# Altium PCB mach PCB.PcbDoc (part 2 of 6)
Units mm, origin at the board's own origin, x right, y up, seen from the top; angles counter-clockwise.
Board outline 300.6 x 300.64 mm, 2 copper layers (Top Layer, Bottom Layer); 688 components, 737 nets, 3205 pads, 25 vias.
Unrouted connection lines stored in the file: 1.
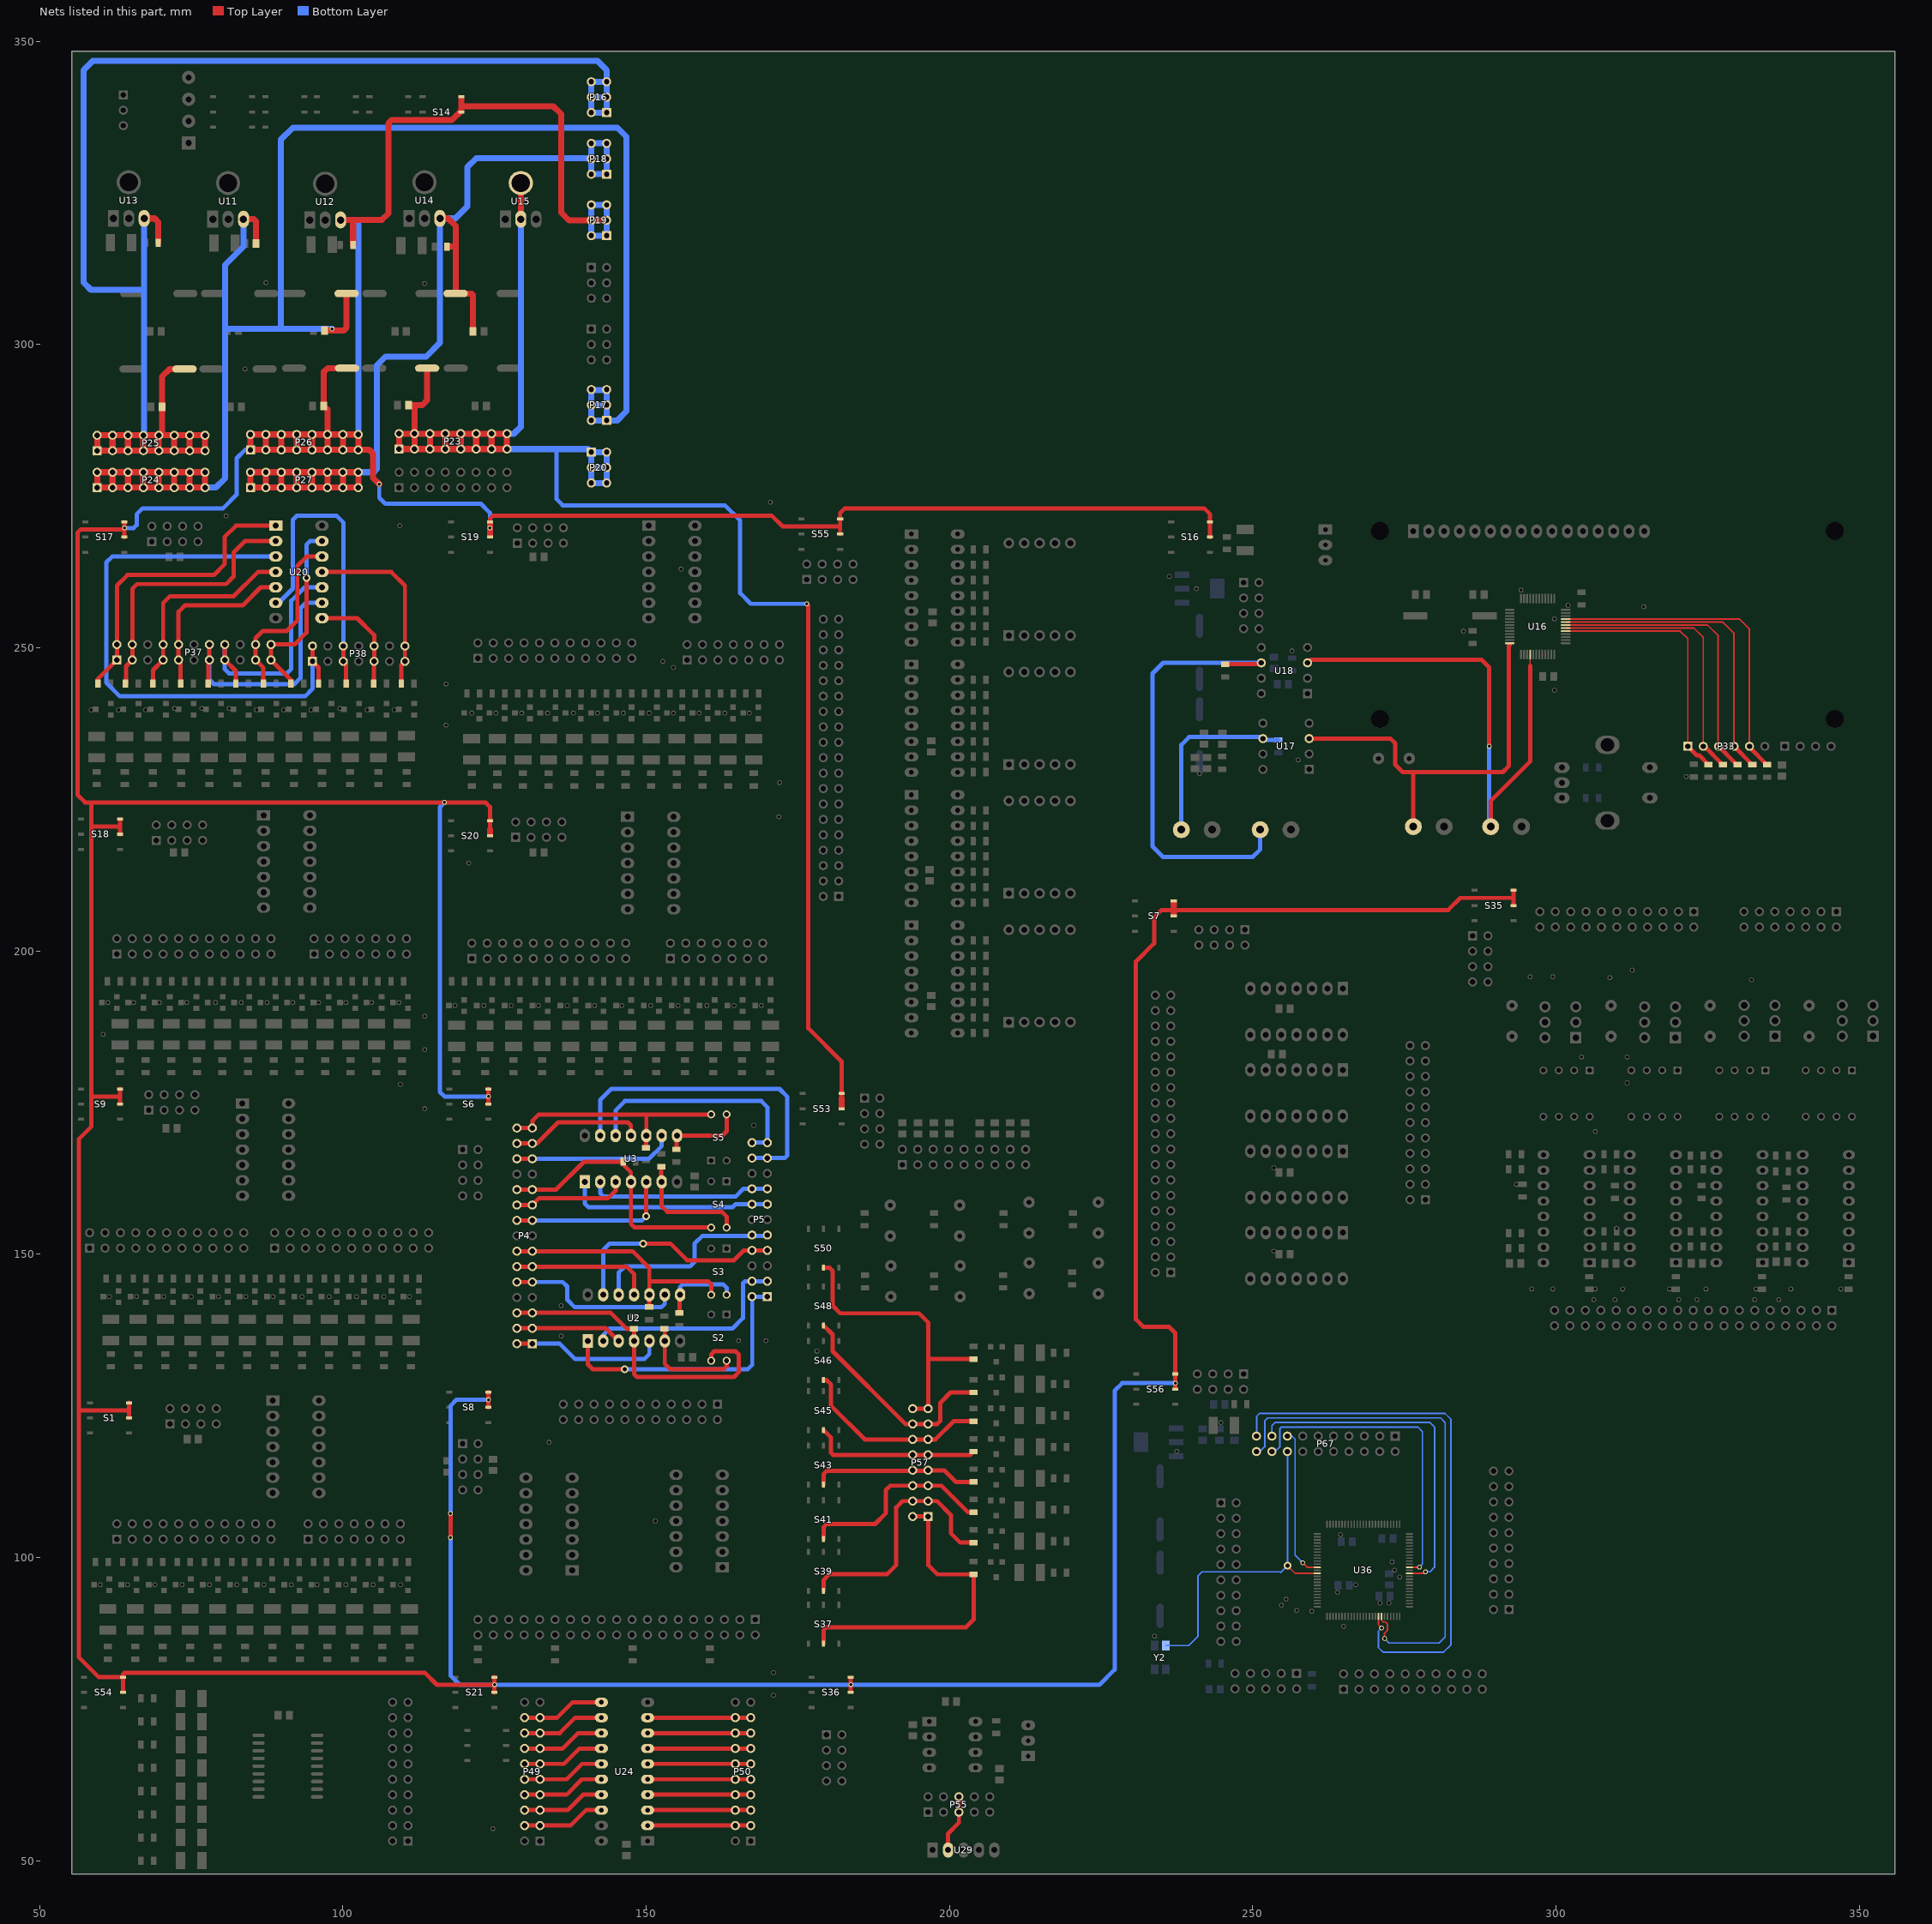
[diagram p2: the nets of this part, all layers, seen from the top]

## Part data
C1 C2 C3 C4 C5 C6 C7 C8 C9 C10 C15 C16 C17 C18 C20 C23 C24 C26 C27 C30 C31 C32 C33 C34 C35 C36 C37 C38 C39 C42 C43 C44 C45 C46 C47 C48 C49 C50 C51 C52 C53 C54 C55 C56 C57 C58 C59 C60 C61 C62 C63 C64 C65 C66 C67 C68 C69 C70 C71 C72 C73 C74 C75 C76 C79: library part Cap, "Capacitor"
C11 C12 C13 C14 C19 C21 C22 C25 C28 C29 C40 C41 C77 C78: library part "Cap Pol1", "Polarized Capacitor (Radial)"
D1: library part Bridge2, "Diode Bridge"
D2 D3 D4 D5 D6 D95: library part LED0, "Typical INFRARED GaAs LED"
D7 D8 D9 D10 D11 D12 D13 D14 D15 D16 D17 D18 D19 D20 D21 D22 D23 D24 D25 D26 D27 D28 D29 D30 D31 D32 D33 D34 D35 D36 D37 D38 D39 D40 D41 D42 D43 D44 D45 D46 D47 D48 D49 D50 D51 D52 D53 D54 D55 D56 D57 D58 D59 D60 D61 D62 D63 D64 D65 D66 D67 D68 D69 D70 D71 D72 D73 D74 D75 D76 D77 D78 D79 D80 D81 D82 D83 D84 D85 D86 D87 D88 D89 D90 D91 D92 D93 D94: library part LED2, "Typical RED, GREEN, YELLOW, AMBER GaAs LED"
DS1 DS2 DS3 DS4: "14.2 mm General Purpose Blue 7-Segment Display: CA, RH DP, Gray Surface"
LCD1: "Liquid Crystal Display"
P1 P5 P8 P11 P13 P14 P37 P40 P43 P46 P52: "Header, 11-Pin, Dual row"
P2 P38 P41 P44 P47: library part "Header 7X2", "Header, 7-Pin, Dual row"
P3 P6 P9 P12 P15 P36 P39 P42 P45 P48 P54 P56 P59 P62 P68: "Header, 4-Pin, Dual row"
P4: "Header, 15-Pin, Dual row"
P7 P10 P51 P61: "Header, 19-Pin, Dual row"
P16 P17 P18 P19 P20 P21 P22: "Header, 3-Pin, Dual row"
P23 P24 P25 P26 P27 P28 P57: "Header, 8-Pin, Dual row"
P29: library part "Header 3", "Header, 3-Pin"
P30 P32 P34 P35: library part "Header 2", "Header, 2-Pin"
P31: library part "Header 4", "Header, 4-Pin"
P33: library part "Header 6", "Header, 6-Pin"
P49 P50 P60 P63 P65 P66 P67: library part "Header 10X2", "Header, 10-Pin, Dual row"
P53: "Header, 7-Pin, Dual row"
P55: "Header, 5-Pin, Dual row"
P58: "Header, 9-Pin, Dual row"
P64: library part "Header 5X2", "Header, 5-Pin, Dual row"
Q1 Q2 Q3 Q4 Q5 Q6 Q7 Q8 Q9 Q10 Q11 Q12 Q13 Q14 Q15 Q16 Q17 Q18 Q19 Q20 Q21 Q22 Q23 Q24 Q25 Q26 Q27 Q28 Q29 Q30 Q31 Q32 Q33 Q34 Q35 Q36 Q37 Q38 Q39 Q40 Q41 Q42 Q43 Q44 Q45 Q46 Q47 Q48 Q49 Q50 Q51 Q52 Q53 Q54 Q55 Q56 Q57 Q58 Q59 Q60 Q61 Q62 Q63 Q64 Q65 Q66 Q67 Q68 Q69 Q70 Q71 Q72 Q73 Q74 Q75 Q76 Q77 Q78 Q79 Q80: library part NPN, "NPN Bipolar Transistor"
R1 R2 R3 R4 R5 R6 R7 R8 R9 R10 R11 R12 R13 R14 R15 R16 R17 R26 R29 R31 R32 R33 R34 R35 R36 R37 R38 R39 R40 R41 R42 R43 R44 R45 R46 R47 R48 R49 R50 R51 R52 R53 R54 R55 R56 R57 R58 R59 R60 R61 R62 R63 R64 R65 R66 R67 R68 R69 R70 R71 R72 R73 R74 R75 R76 R77 R78 R79 R80 R81 R82 R83 R84 R85 R86 R87 R88 R89 R90 R91 R92 R93 R94 R95 R96 R97 R98 R99 R100 R101 R102 R103 R104 R105 R106 R107 R108 R109 R110 R111 R112 R113 R114 R115 R116 R117 R118 R119 R120 R121 R122 R123 R124 R125 R126 R127 R128 R129 R130 R131 R132 R133 R134 R135 R136 R137 R138 R139 R140 R141 R142 R143 R144 R145 R146 R147 R148 R149 R150 R151 R152 R153 R154 R155 R156 R157 R158 R159 R160 R161 R162 R163 R164 R165 R166 R167 R168 R169 R170 R171 R172 R173 R174 R175 R176 R177 R178 R179 R180 R181 R182 R183 R184 R185 R186 R187 R188 R189 R190 R191 R192 R193 R194 R195 R196 R197 R198 R199 R200 R201 R202 R203 R204 R205 R206 R207 R208 R209 R210 R211 R212 R213 R214 R215 R216 R217 R218 R219 R220 R221 R222 R223 R224 R225 R226 R227 R228 R229 R230 R231 R232 R233 R234 R235 R236 R237 R238 R239 R240 R241 R242 R243 R244 R245 R246 R247 R248 R249 R250 R251 R252 R253 R254 R255 R256 R257 R258 R259 R260 R261 R262 R263: library part Res1, "Resistor"
R18 R19 R20 R21 R22 R23 R24 R25 R27 R28 R30: "Resistor"
S1 S6 S7 S8 S9 S10 S11 S12 S13 S14 S16 S17 S18 S19 S20 S21 S22 S35 S36 S37 S39 S41 S43 S45 S46 S48 S50 S53 S54 S55 S56: "SPDT Subminiature Toggle Switch, Right Angle Mounting, Vertical Actuation"
S2 S3 S4 S5: "DIP Switch, 2 Position, SPST"
S15 S38 S40 S42 S44 S47 S49 S51 S52: library part SW-PB, "Switch"
S23 S24 S29 S30: "Double-Pole, Double-Throw Switch"
S25 S26 S31 S32: "Switch"
S27 S28 S33 S34: "DIP Switch, 4 Position, SPST"
SW1: library part "SW EC11", "Rotary Encoder with Switch"
U1: "Quad Exclusive OR Gate, 14-Pin PDIP"
U2 U3: "Dual D-Type Flip-Flop"
U4 U5 U6 U7: "Decade and Binary Counter"
U8 U9: "Dual Negative-Edge-Triggered Master-Slave J-K Flip-Flop with Clear and Complementary Output"
U10: "Hex Inverter"
U11 U12: library part LM78M05CT, "3-Terminal Positive Voltage Regulators, 3-pin TO-220"
U13 U14: library part LM79M12CT, "3-Terminal Negative Regulators, 3-pin TO-220"
U15 U19 U37: library part LM1117IDTX-3.3, "800mA Low-Dropout Linear Regulator, 3-pin TO-252"
U16: "STM32 ARM-based 32-bit MCU with 64 Kbytes Flash, 48-pin LQFP, Industrial Temperature"
U17 U18: "High Speed 10MBit/s Logic Gata Optocouplers"
U20: "Quad 2-Input AND Gate"
U21: "Quadruple 2-Input Positive-OR Gate"
U22: "Quadruple 2-Input Positive-NAND Gate"
U23: "Quadruple 2-Input Positive-NOR Gate"
U24: "Octal bus tranceiver; 3-state"
U25 U26 U27 U28: "Synchronous 4-Bit Up/Down Counter (Dual Clock with Clear)"
U30: "General-Purpose Single Bipolar Timer"
U31: "High-Voltage, High-Current Darlington Array"
U32 U33 U34 U35: "BCD to 7-Segment Decoder/Driver with Open-Collector Output"
U36: "MAX II 3.3/2.5V CPLD, 80 IOs, 240 Logic Elements, 100-Pin Plastic TQFP, Commercial Temperature, Speed Grade 5, Pb-Free"
VR1 VR2: library part RPot, "Potentiometer"
Y1: library part XTAL, "Crystal Oscillator"
Y2: library part OSC, "XTAL 50MHz, 4pin"

## Free pads (board coordinates)
  round 0.8 hole 0.5: 0(58.5,239.75) 0(98.229,302.574) 0(113.469,310.067) 0(167,239.25) 0(267,95.5) 0(271.25,88.38) 0(273,99.25) 0(299.5,195.75) 1(63,239.75) 1(83.878,295.97) 1(87.307,310.194) 1(121.25,239.25) 1(264,94.25) 1(271.749,86.63) 1(274.25,96.75) 1(295.75,195.75) 2(67.5,239.75) 2(125.25,239.25) 2(273.38,97.88) 2(277.5,98.38) 2(308.917,195.583) 3(72.25,240) 3(129.5,239.25) 3(271,92.5) 3(332.25,195.25) 4(76.75,240) 4(133.75,239.25) 4(272.5,92.5) 4(278.5,97.63) 4(306.25,142.5) 5(81.25,240) 5(138,239.25) 5(259.75,91.13) 5(320.25,142.5) 6(85.75,239.75) 6(142,239.25) 6(257.25,91.25) 6(264.5,103.75) 6(309.75,142.5) 7(90.25,239.75) 7(146.25,239.25) 7(254.75,92.13) 7(323.25,142.5) 8(94.75,239.75) 8(150.5,239.25) 8(255.5,93.13) 8(336.75,142.5) 9(99.5,240) 9(154.5,239.25) 10(104,239.75) 10(158.75,239.25) 10(258.25,99.13) 10(265,88.63) 10(332.75,142.5) 11(108.5,239.75) 11(163,239.25) 11(237.5,117.5) 11(293.5,161.5) 12(154.5,246.75) 12(304.25,182.5) 13(61.25,191.5) 13(152.75,247.75) 14(65.5,191.5) 14(155.75,263) 14(306.5,170.25) 14(310,154.25) 15(69.75,191.5) 15(169,191) 15(311,144.25) 16(74.25,191.5) 16(118.5,191) 16(318.75,144.25) 17(79,191.5) 17(123.25,191) 17(333,144.25) 18(83.25,191.5) 18(127.75,191) 18(347,144.25) 19(87.5,191.5) 19(132.25,191) 19(324.75,144.25) 20(91.75,191.5) 20(137,191) 20(338.75,144.25) 21(96,191.5) 21(141.5,191) 21(296,144.25) 22(100.5,191.5) 22(146,191) 22(299.5,144.25) 23(104.75,191.5) 23(150.75,191) 23(306.5,144.25) 24(109.25,191.5) 24(155.25,191) 24(312.59,196.84) 25(111,143) 25(160,191) 25(311.75,182.5) 26(106.75,143) 26(164.5,191) 26(311.75,182.5) 27(102.25,143) 27(253.5,150.5) 27(311.75,178.25) 28(97.75,143) 28(151.5,106) 28(253.5,164.25) 29(93.25,143) 29(134,119) 30(88.5,143) 31(84,143) 31(125,79) 32(79.5,143) 32(183.75,79) 33(75,143) 33(237.25,128.75) 34(70.5,143) 34(117.75,103.25) 35(66,143) 35(117.75,107.25) 36(61.5,143) 36(124,126) 37(113.5,183.75) 37(124.75,55.25) 38(109.5,95.5) 38(113.5,189.25) 39(105,95.5) 39(109.5,178) 40(100.5,95.5) 40(113.5,174) 41(95.75,95.5) 41(165.25,135.75) 42(91.5,95.5) 42(178.15,134) 43(87,95.5) 43(169.75,135.75) 44(82.5,95.5) 44(124,176) 45(78,95.5) 45(116.75,224.5) 46(73.5,95.5) 47(69,95.5) 47(136,136.5) 48(64.5,95.5) 48(136,141.5) 49(60,95.5) 50(171,77.25) 51(171,81) 52(80.75,271.75) 53(64,269.75) 54(124.246,269.75) 55(106,277) 57(117,237.25) 58(117,244) 59(109.375,270.125) 60(172,227.75) 61(171.88,222.12) 62(167.75,171.25) 63(176.5,257.25) 64(321.5,228.75) 65(299.75,243) 67(241.25,229.25) 69(284.75,252.75) 70(256.5,249.5) 71(257.5,231.5) 72(236.25,261.75) 73(240.75,259.75) 74(289,233.75) 75(314.5,256.75) 76(299.75,254.75) 77(302,257) 78(294.25,259.5) 79(170.5,274) 80(60.5,186.25) 81(233.828,87) 82(244.75,122.25) 83(120.75,214.5)

## Via types
v1: diameter 1.27, hole 0.711, Top Layer to Bottom Layer, 25 vias

## Nets (pads, with @x,y where several pads share a name; then routed paths per layer and width w, separated by ;. In a path a pad name is that pad's centre, name@x,y a point inside that pad or via, vN(x,y) a via of type N, cw(c..) or ccw(c..) an arc to the next point about the centre after c; other vN are vias at no path point)
3V3_SQW_CH0: P30.1 U16.12 U17.3 | length 67
  Top Layer w0.254: 292.384,250.5 U16.12@292.384,250.75
  Top Layer w0.7: U17.3@259.31,235.02 263.75,235.02 263.77,235 272.75,235 273.5,234.25 273.5,230.75 274.75,229.5 276.5,229.5 ; P30.1@276.5,220.5 276.5,227.25 276.5,229.5 ; 292.384,250.5 292.25,250.366 292.25,230.5 291.25,229.5 276.5,229.5
3V3_SQW_CH1: P32.1 pad.74 U16.16 U18.3 | length 88.1
  Top Layer w0.254: 295.75,247 U16.16@295.75,248.884
  Top Layer w0.7: U18.3@259.06,247.52 259.56,248.02 287.73,248.02 289,246.75 pad.74@289,233.75 ; P32.1@289.25,220.5 289.25,224.75 295.75,231.25 295.75,247
  Bottom Layer w0.7: pad.74@289,233.75 289,220.75 P32.1@289.25,220.5
5V_SQW_CH0: P34.1 R27.2 U17.6 | length 30.7
  Bottom Layer w0.7: P34.1@238.25,220 238.25,234 239.52,235.27 251.44,235.27 U17.6@251.69,235.02 251.91,234.8 R27.2@254.25,234.8
5V_SQW_CH1: P35.1 R30.2 U18.6 | length 75.4
  Top Layer w0.7: R30.2@245.5,247.3 251.22,247.3 U18.6@251.44,247.52
  Bottom Layer w0.7: P35.1@251.25,220 251.25,216.75 250,215.5 235.25,215.5 233.5,217.25 233.5,245.75 235.27,247.52 U18.6@251.44,247.52
+3V3: C28.1 C30.2 P20.1 P20.2 P20.3 P20.4 P20.5 P20.6 P23.1 P23.2 P23.3 P23.4 P23.5 P23.6 P23.7 P23.8 P23.9 P23.10 P23.11 P23.12 P23.13 P23.14 P23.15 P23.16 pad.63 S53.2 S53.3 U15.2 | length 293.2
  Top Layer w0.7: pad.63@176.5,257.25 176.75,257 176.75,187.25 182.246,181.754 S53.3@182.246,176.5 182.246,175.75
  Top Layer w1: C30.2@110.838,290.001 111.963,290.001 ; C28.1@113.906,296.097 113.906,290.819 113.088,290.001 111.963,290.001 ; U15.2@129.344,320.671 U15.2@129.344,326.64 ; 182.246,174.25 182.246,175.75 ; P23.3@111.818,282.762 P23.1@109.278,282.762 P23.2@109.278,285.302 P23.4@111.818,285.302 ; P23.3@111.818,282.762 P23.4@111.818,285.302 ; P23.3@111.818,282.762 P23.5@114.358,282.762 ; P23.4@111.818,285.302 111.818,289.856 111.963,290.001 ; P23.4@111.818,285.302 P23.6@114.358,285.302 ; P23.5@114.358,282.762 P23.7@116.898,282.762 ; P23.5@114.358,282.762 P23.6@114.358,285.302 ; P23.6@114.358,285.302 P23.8@116.898,285.302 ; P23.7@116.898,282.762 P23.9@119.438,282.762 ; P23.7@116.898,282.762 P23.8@116.898,285.302 ; P23.8@116.898,285.302 P23.10@119.438,285.302 ; P23.9@119.438,282.762 P23.11@121.978,282.762 ; P23.9@119.438,282.762 P23.10@119.438,285.302 ; P23.10@119.438,285.302 P23.12@121.978,285.302 ; P23.11@121.978,282.762 P23.13@124.518,282.762 ; P23.11@121.978,282.762 P23.12@121.978,285.302 ; P23.12@121.978,285.302 P23.14@124.518,285.302 ; P23.13@124.518,282.762 P23.15@127.058,282.762 P23.16@127.058,285.302 P23.14@124.518,285.302 ; P23.13@124.518,282.762 P23.14@124.518,285.302
  Bottom Layer w0.7: 135.25,282.762 135.25,274.5 136.25,273.5 163,273.5 165.5,271 165.5,259 167.25,257.25 pad.63@176.5,257.25
  Bottom Layer w1: P23.15@127.058,282.762 135.25,282.762 140.448,282.762 P20.1@140.96,282.25 ; P23.16@127.058,285.302 128.201,285.302 129.344,286.445 U15.2@129.344,320.671 ; P20.3@140.96,279.71 P20.4@143.5,279.71 ; P20.3@140.96,279.71 P20.1@140.96,282.25 ; P20.3@140.96,279.71 P20.5@140.96,277.17 P20.6@143.5,277.17 P20.4@143.5,279.71 ; P20.1@140.96,282.25 P20.2@143.5,282.25 P20.4@143.5,279.71
+5V: C14.1 C18.2 P19.1 P19.2 P19.3 P19.4 P19.5 P19.6 P26.1 P26.2 P26.3 P26.4 P26.5 P26.6 P26.7 P26.8 P26.9 P26.10 P26.11 P26.12 P26.13 P26.14 P26.15 P26.16 pad.31@125,79 pad.32@183.75,79 pad.33@237.25,128.75 pad.34@117.75,103.25 pad.35@117.75,107.25 pad.36@124,126 pad.44@124,176 pad.45@116.75,224.5 pad.53 pad.54 pad.55 R14.1 S1.2 S1.3 S6.2 S6.3 S7.2 S7.3 S8.2 S8.3 S9.2 S9.3 S14.2 S14.3 S16.2 S16.3 S17.2 S17.3 S18.2 S18.3 S19.2 S19.3 S20.2 S20.3 S21.2 S21.3 S35.2 S35.3 S36.2 S36.3 S54.2 S54.3 S55.2 S55.3 S56.2 S56.3 U12.3 | length 1200.7
  Top Layer w0.254: S56.2@237.246,127.75 237.246,128
  Top Layer w0.7: 56.75,124.25 64.746,124.25 ; S9.2@63.246,174.75 63.246,176 ; S9.3@63.246,177.25 63.246,176 ; S18.2@63.246,219.25 63.246,220.5 ; S18.3@63.25,221.75 63.25,220.5 63.246,220.5 ; 63.746,78 63.746,80 ; S17.2@63.996,268.25 pad.53@63.996,269.5 ; S17.3@63.996,270.75 pad.53@63.996,269.5 ; S1.2@64.746,123 64.746,124.25 ; S1.3@64.746,125.5 64.746,124.25 ; pad.34@117.75,103.25 pad.35@117.75,107.25 ; S8.2@123.996,124.75 S8.3@123.996,127.25 ; S6.2@123.996,174.75 S6.3@123.996,177.25 ; 124.246,220 S20.3@124.246,221.5 124.246,223.746 124.25,223.75 123.5,224.5 pad.45@116.75,224.5 58.5,224.5 ; S19.3@124.246,270.75 124.246,271.246 124.75,271.75 170.75,271.75 172.5,270 181.996,270 ; S21.2@124.996,77.75 pad.31@124.996,79 ; S21.3@124.996,80.25 125,80.246 pad.31@125,79 pad.31@124.996,79 ; S55.2@181.996,268.75 181.996,270 ; 183.746,78 S36.3@183.746,80 ; 237.246,128 S56.3@237.246,130.25 237.246,137.004 236.25,138 232,138 230.75,139.25 230.75,198.25 233.75,201.25 233.75,205.5 235,206.75 236.996,206.75 282.25,206.75 284.25,208.75 292.746,208.75 292.996,209 ; S16.2@242.996,268.25 S16.3@242.996,270.75 242.996,272.004 242,273 182.75,273 181.996,272.246 S55.3@181.996,271.25 181.996,270 ; S35.2@292.996,207.5 292.996,209 ; S35.3@292.996,210 292.996,209 ; 58.5,176 58.5,220.5 ; 58.5,176 58.5,171 56.5,169 56.5,83.5 59.75,80.25 S54.3@63.746,80.25 63.746,80.746 64,81 113.5,81 115.5,79 pad.31@124.996,79 ; 58.5,176 63.246,176 ; 58.5,220.5 58.5,224.5 ; 58.5,220.5 63.246,220.5 ; 58.5,224.5 57.5,224.5 56.25,225.75 56.25,269 56.75,269.5 pad.53@63.996,269.5
  Top Layer w1: P26.2@84.767,285.175 P26.2@84.894,285.175 ; U12.3@99.626,320.544 101.692,320.544 ; C14.1@100.698,296.097 97.467,296.097 96.868,295.498 C18.2@96.868,289.874 97.467,289.275 P26.12@97.467,285.175 ; R14.1@101.692,316.417 101.692,320.544 ; pad.55@106,277 105,278 105,282 104.365,282.635 P26.15@102.547,282.635 ; 119.565,339.315 134.685,339.315 136,338 136,321.75 137.263,320.487 P19.4@140.96,320.487 P19.3@143.5,320.487 ; 119.565,340.547 119.565,338.565 117.998,336.998 108.015,336.998 107.5,336.483 107.5,321.624 106.484,320.608 106.484,320.544 101.692,320.544 ; 124.246,219.25 124.246,220 ; S19.2@124.246,268.5 pad.54@124.246,269.75 S19.3@124.246,270.5 ; 236.996,206 236.996,206.75 ; 236.996,207.375 236.996,208 ; P26.2@84.894,285.175 84.767,285.048 P26.1@84.767,282.635 P26.3@87.307,282.635 ; P26.2@84.894,285.175 P26.4@87.307,285.175 ; P26.3@87.307,282.635 P26.5@89.847,282.635 ; P26.3@87.307,282.635 P26.4@87.307,285.175 ; P26.4@87.307,285.175 P26.6@89.847,285.175 ; P26.5@89.847,282.635 P26.6@89.847,285.175 ; P26.5@89.847,282.635 P26.7@92.387,282.635 ; P26.6@89.847,285.175 P26.8@92.387,285.175 ; P26.7@92.387,282.635 P26.8@92.387,285.175 ; P26.7@92.387,282.635 P26.9@94.927,282.635 ; P26.8@92.387,285.175 P26.10@94.927,285.175 ; P26.9@94.927,282.635 P26.11@97.467,282.635 ; P26.9@94.927,282.635 P26.10@94.927,285.175 ; P26.10@94.927,285.175 P26.12@97.467,285.175 ; P26.11@97.467,282.635 P26.13@100.007,282.635 ; P26.11@97.467,282.635 P26.12@97.467,285.175 ; P26.12@97.467,285.175 P26.14@100.007,285.175 ; P26.13@100.007,282.635 P26.15@102.547,282.635 ; P26.13@100.007,282.635 P26.14@100.007,285.175 ; P26.14@100.007,285.175 P26.16@102.547,285.175 P26.15@102.547,282.635
  Bottom Layer w0.7: pad.53@64,269.75 65.5,269.75 66,270.25 66,272 67,273 80.25,273 82.5,275.25 82.5,281.25 83.885,282.635 P26.1@84.767,282.635 ; pad.55@106,277 106,274.75 107,273.75 122.75,273.75 124.246,272.254 pad.54@124.246,269.75 ; pad.45@116.75,224.5 116,223.75 116,176.75 116.75,176 pad.44@124,176 ; pad.34@117.75,103.25 117.75,80.5 119.25,79 pad.31@125,79 pad.32@183.75,79 224.75,79 227.25,81.5 227.25,127.5 228.5,128.75 pad.33@237.25,128.75 ; pad.35@117.75,107.25 117.75,125 118.75,126 pad.36@124,126
  Bottom Layer w1: U12.3@99.626,320.544 101.849,320.544 102.547,319.846 P26.16@102.547,285.175 ; P19.6@140.96,323.027 P19.4@140.96,320.487 P19.2@140.96,317.947 P19.1@143.5,317.947 P19.3@143.5,320.487 P19.5@143.5,323.027 143.473,323 P19.6@141,323
+12V: C12.1 C16.2 P17.1 P17.2 P17.3 P17.4 P17.5 P17.6 P24.1 P24.2 P24.3 P24.4 P24.5 P24.6 P24.7 P24.8 P24.9 P24.10 P24.11 P24.12 P24.13 P24.14 P24.15 P24.16 pad.0@98.229,302.574 R13.1 U11.3 | length 292.8
  Top Layer w1: P24.2@59.494,278.444 P24.1@59.494,276.412 P24.3@62.034,276.412 ; P24.2@59.494,278.952 P24.4@62.034,278.952 ; U11.3@83.624,320.671 85.339,320.671 85.692,320.318 R13.1@85.692,316.671 ; C16.2@96.995,302.32 100.134,302.32 100.622,302.808 C12.1@100.622,308.416 ; P24.3@62.034,276.412 P24.5@64.574,276.412 ; P24.3@62.034,276.412 P24.4@62.034,278.952 ; P24.4@62.034,278.952 P24.6@64.574,278.952 ; P24.5@64.574,276.412 P24.7@67.114,276.412 ; P24.5@64.574,276.412 P24.6@64.574,278.952 ; P24.6@64.574,278.952 P24.8@67.114,278.952 ; P24.7@67.114,276.412 P24.9@69.654,276.412 ; P24.7@67.114,276.412 P24.8@67.114,278.952 ; P24.8@67.114,278.952 P24.10@69.654,278.952 ; P24.9@69.654,276.412 P24.11@72.194,276.412 ; P24.9@69.654,276.412 P24.10@69.654,278.952 ; P24.10@69.654,278.952 P24.12@72.194,278.952 ; P24.11@72.194,276.412 P24.12@72.194,278.952 ; P24.11@72.194,276.412 P24.13@74.734,276.412 ; P24.12@72.194,278.952 P24.14@74.734,278.952 ; P24.13@74.734,276.412 P24.15@77.274,276.412 P24.16@77.274,278.952 P24.14@74.734,278.952 ; P24.13@74.734,276.412 P24.14@74.734,278.952
  Bottom Layer w1: P24.15@77.274,276.412 79.052,276.412 80.576,277.936 80.576,302.574 ; U11.3@83.624,320.671 83.624,316.163 80.576,313.115 80.576,302.574 ; pad.0@98.229,302.574 89.75,302.574 ; P17.6@140.96,292.571 P17.6@140.96,292.5 ; 80.576,302.574 89.75,302.574 ; 89.75,302.574 89.75,333.75 91.75,335.75 145.25,335.75 146.75,334.25 146.75,289 145.241,287.491 P17.1@143.5,287.491 ; P17.4@140.96,290.031 P17.3@143.5,290.031 ; P17.4@140.96,290.031 P17.6@140.96,292.5 ; P17.4@140.96,290.031 P17.2@140.96,287.491 P17.1@143.5,287.491 ; P17.6@140.96,292.5 143.429,292.5 P17.5@143.5,292.571 P17.3@143.5,290.031 ; P17.1@143.5,287.491 P17.3@143.5,290.031
-5V: C24.2 C25.2 P18.1 P18.2 P18.3 P18.4 P18.5 P18.6 P27.1 P27.2 P27.3 P27.4 P27.5 P27.6 P27.7 P27.8 P27.9 P27.10 P27.11 P27.12 P27.13 P27.14 P27.15 P27.16 R16.1 U14.3 | length 181.2
  Top Layer w0.7: 118.468,316.163 118.595,316.29
  Top Layer w1: P27.2@84.767,278.952 P27.2@84.767,278.825 ; U14.3@116.009,320.798 117.343,320.798 118.595,319.546 118.595,316.29 C25.2@118.595,308.416 121.216,308.416 121.434,308.198 C24.2@121.434,302.193 ; R16.1@117.533,316.163 118.468,316.163 ; P27.2@84.767,278.825 84.894,278.952 P27.4@87.307,278.952 ; P27.2@84.767,278.825 P27.1@84.767,276.412 P27.3@87.307,276.412 ; P27.3@87.307,276.412 P27.4@87.307,278.952 ; P27.3@87.307,276.412 P27.5@89.847,276.412 ; P27.4@87.307,278.952 P27.6@89.847,278.952 ; P27.5@89.847,276.412 P27.7@92.387,276.412 ; P27.5@89.847,276.412 P27.6@89.847,278.952 ; P27.6@89.847,278.952 P27.8@92.387,278.952 ; P27.7@92.387,276.412 P27.9@94.927,276.412 ; P27.7@92.387,276.412 P27.8@92.387,278.952 ; P27.8@92.387,278.952 P27.10@94.927,278.952 ; P27.9@94.927,276.412 P27.11@97.467,276.412 ; P27.9@94.927,276.412 P27.10@94.927,278.952 ; P27.10@94.927,278.952 P27.12@97.467,278.952 ; P27.11@97.467,276.412 P27.13@100.007,276.412 ; P27.11@97.467,276.412 P27.12@97.467,278.952 ; P27.12@97.467,278.952 P27.14@100.007,278.952 ; P27.13@100.007,276.412 P27.15@102.547,276.412 P27.16@102.547,278.952 P27.14@100.007,278.952 ; P27.13@100.007,276.412 P27.14@100.007,278.952
  Bottom Layer w1: P27.16@102.547,278.952 105.087,278.952 105.595,279.46 105.595,296.595 107.015,298.014 113.736,298.014 116.009,300.288 U14.3@116.009,320.798 118.549,320.798 120.5,322.75 120.5,329.25 122,330.75 P18.4@140.96,330.75 ; P18.4@140.96,330.75 P18.6@140.96,333.178 P18.5@143.5,333.178 P18.3@143.5,330.638 P18.1@143.5,328.098 P18.2@140.96,328.098 P18.4@140.96,330.638 P18.4@140.96,330.75
-12V: C21.2 C26.2 P16.1 P16.2 P16.3 P16.4 P16.5 P16.6 P25.1 P25.2 P25.3 P25.4 P25.5 P25.6 P25.7 P25.8 P25.9 P25.10 P25.11 P25.12 P25.13 P25.14 P25.15 P25.16 R15.1 U13.3 | length 264.5
  Top Layer w1: U13.3@67.241,320.798 68.956,320.798 69.561,320.193 R15.1@69.561,316.798 ; C21.2@73.901,295.97 71.432,295.97 70.198,294.736 C26.2@70.198,289.747 70.198,285.592 P25.10@69.654,285.048 ; P25.3@62.034,282.508 P25.1@59.494,282.508 P25.2@59.494,285.048 P25.4@62.034,285.048 ; P25.3@62.034,282.508 P25.5@64.574,282.508 ; P25.3@62.034,282.508 P25.4@62.034,285.048 ; P25.4@62.034,285.048 P25.6@64.574,285.048 ; P25.5@64.574,282.508 P25.7@67.114,282.508 ; P25.5@64.574,282.508 P25.6@64.574,285.048 ; P25.6@64.574,285.048 P25.8@67.114,285.048 ; P25.7@67.114,282.508 P25.9@69.654,282.508 ; P25.7@67.114,282.508 P25.8@67.114,285.048 ; P25.8@67.114,285.048 P25.10@69.654,285.048 ; P25.9@69.654,282.508 P25.11@72.194,282.508 ; P25.9@69.654,282.508 P25.10@69.654,285.048 ; P25.10@69.654,285.048 P25.12@72.194,285.048 ; P25.11@72.194,282.508 P25.13@74.734,282.508 ; P25.11@72.194,282.508 P25.12@72.194,285.048 ; P25.12@72.194,285.048 P25.14@74.734,285.048 ; P25.13@74.734,282.508 P25.15@77.274,282.508 P25.16@77.274,285.048 P25.14@74.734,285.048 ; P25.13@74.734,282.508 P25.14@74.734,285.048
  Bottom Layer w1: P25.8@67.114,285.048 67.241,285.175 67.241,309 ; U13.3@67.241,320.798 67.241,309 ; 67.241,309 58.5,309 57.25,310.25 57.25,345.25 58.75,346.75 142,346.75 143.5,345.25 P16.5@143.5,343.33 ; P16.4@140.96,340.79 P16.3@143.5,340.79 ; P16.4@140.96,340.79 P16.6@140.96,343.33 P16.5@143.5,343.33 ; P16.4@140.96,340.79 P16.2@140.96,338.25 P16.1@143.5,338.25 P16.3@143.5,340.79 ; P16.3@143.5,340.79 P16.5@143.5,343.33
A0: P50.3 P50.4 U24.2 | length 17
  Top Layer w0.7: U24.2@150.25,55.79 P50.4@164.71,55.79 P50.3@167.25,55.79
A1: P50.5 P50.6 U24.3 | length 17
  Top Layer w0.7: U24.3@150.25,58.33 P50.6@164.71,58.33 P50.5@167.25,58.33
A2: P50.7 P50.8 U24.4 | length 17
  Top Layer w0.7: U24.4@150.25,60.87 P50.8@164.71,60.87 P50.7@167.25,60.87
A3: P50.9 P50.10 U24.5 | length 17
  Top Layer w0.7: U24.5@150.25,63.41 P50.10@164.71,63.41 P50.9@167.25,63.41
A4: P50.11 P50.12 U24.6 | length 17
  Top Layer w0.7: U24.6@150.25,65.95 P50.12@164.71,65.95 P50.11@167.25,65.95
A5: P50.13 P50.14 U24.7 | length 17
  Top Layer w0.7: U24.7@150.25,68.49 P50.14@164.71,68.49 P50.13@167.25,68.49
A6: P50.15 P50.16 U24.8 | length 17
  Top Layer w0.7: U24.8@150.25,71.03 P50.16@164.71,71.03 P50.15@167.25,71.03
A7: P50.17 P50.18 U24.9 | length 17
  Top Layer w0.7: U24.9@150.25,73.57 P50.18@164.71,73.57 P50.17@167.25,73.57
ANDI1: P37.1 P37.2 R36.2 U20.1 | length 50.4
  Top Layer w0.7: R36.2@59.603,244.066 59.603,244.853 P37.1@62.75,248 P37.2@62.75,250.54 62.75,260.25 64.5,262 78.75,262 80.5,263.75 80.5,268.25 82.37,270.12 U20.1@88.94,270.12
ANDI2: P37.3 P37.4 R37.2 U20.2 | length 45.4
  Top Layer w0.7: R37.2@64.152,244.066 64.25,244.164 64.25,246.96 P37.3@65.29,248 P37.4@65.29,250.54 65.29,259.71 66.08,260.5 80.75,260.5 82,261.75 82,265.75 83.83,267.58 U20.2@88.94,267.58
ANDI3: P37.7 P37.8 R38.2 U20.4 | length 34.7
  Top Layer w0.7: R38.2@68.701,244.066 68.701,246.331 P37.7@70.37,248 P37.8@70.37,250.54 70.37,257.37 71.5,258.5 82,258.5 86,262.5 U20.4@88.94,262.5
ANDI4: P37.9 P37.10 R39.2 U20.5 | length 29.7
  Top Layer w0.7: R39.2@73.25,244.066 73.25,247.66 P37.9@72.91,248 P37.10@72.91,250.54 72.91,255.91 74,257 83.5,257 86.46,259.96 U20.5@88.94,259.96
ANDI5: P37.13 P37.14 R44.2 U20.9 | length 41
  Top Layer w0.7: R44.2@77.799,244.066 77.799,247.809 P37.13@77.99,248 P37.14@77.99,250.54
  Bottom Layer w0.7: P37.13@77.99,248 77.99,244.76 78.75,244 92,244 93,245 93,256.5 93.92,257.42 U20.9@96.56,257.42
ANDI6: P37.15 P37.16 R45.2 U20.10 | length 40.1
  Top Layer w0.7: P37.16@80.53,250.54 P37.15@80.53,248 82.348,246.182 R45.2@82.348,244.066
  Bottom Layer w0.7: P37.16@80.53,250.54 P37.15@80.53,248 80.53,246.47 81.25,245.75 90.75,245.75 91.5,246.5 91.5,257.75 93.71,259.96 U20.10@96.56,259.96
ANDI7: P37.19 P37.20 R46.2 U20.12 | length 29.9
  Top Layer w0.7: R46.2@86.896,244.066 86.896,246.714 P37.19@85.61,248 P37.20@85.61,250.54 85.61,251.61 86.75,252.75 90.75,252.75 92.5,254.5 92.5,263.5 94.04,265.04 U20.12@96.56,265.04
ANDI8: P37.21 P37.22 R47.2 U20.13 | length 31.8
  Top Layer w0.7: R47.2@91.445,244.066 91.445,244.705 P37.21@88.15,248 P37.22@88.15,250.54 92.04,250.54 94,252.5 v1(94,261.5)
  Bottom Layer w0.7: v1(94,261.5) 94,267 94.58,267.58 U20.13@96.56,267.58
ANDO1: P38.1 P38.2 R52.2 U20.3 | length 94.8
  Top Layer w0.7: P38.2@95,250.29 P38.1@95,247.75 95.994,246.756 R52.2@95.994,244.066
  Bottom Layer w0.7: U20.3@88.94,265.04 61.96,265.04 61,264.08 61,244.25 63.25,242 93.75,242 95,243.25 P38.1@95,247.75
ANDO2: P38.5 P38.6 R53.2 U20.6 | length 51
  Top Layer w0.7: P38.6@100.08,250.29 P38.5@100.08,247.75 100.543,247.287 R53.2@100.543,244.066
  Bottom Layer w0.7: U20.6@88.94,257.42 89.42,257.42 91.75,259.75 91.75,271.1 92.4,271.75 99,271.75 100.08,270.67 P38.6@100.08,250.29
ANDO3: P38.9 P38.10 R54.2 U20.8 | length 17.8
  Top Layer w0.7: U20.8@96.56,254.88 102.37,254.88 105.16,252.09 P38.10@105.16,250.29 P38.9@105.16,247.75 105.092,247.682 R54.2@105.092,244.066
ANDO4: P38.13 P38.14 R55.2 U20.11 | length 31
  Top Layer w0.7: U20.11@96.56,262.5 108,262.5 110.24,260.26 P38.14@110.24,250.29 P38.13@110.24,247.75 109.641,247.151 R55.2@109.641,244.066
B0: P49.3 P49.4 U24.18 | length 13.7
  Top Layer w0.7: P49.4@129.96,55.79 P49.3@132.5,55.79 137.54,55.79 140.08,58.33 U24.18@142.63,58.33
B1: P49.5 P49.6 U24.17 | length 13.7
  Top Layer w0.7: P49.6@129.96,58.33 P49.5@132.5,58.33 137.08,58.33 139.62,60.87 U24.17@142.63,60.87
B2: P49.7 P49.8 U24.16 | length 13.7
  Top Layer w0.7: P49.8@129.96,60.87 P49.7@132.5,60.87 136.87,60.87 139.41,63.41 U24.16@142.63,63.41
B3: P49.9 P49.10 U24.15 | length 13.7
  Top Layer w0.7: P49.10@129.96,63.41 P49.9@132.5,63.41 136.91,63.41 139.45,65.95 U24.15@142.63,65.95
B4: P49.11 P49.12 U24.14 | length 13.7
  Top Layer w0.7: P49.12@129.96,65.95 P49.11@132.5,65.95 136.45,65.95 138.99,68.49 U24.14@142.63,68.49
B5: P49.13 P49.14 U24.13 | length 13.7
  Top Layer w0.7: P49.14@129.96,68.49 P49.13@132.5,68.49 136.24,68.49 138.78,71.03 U24.13@142.63,71.03
B6: P49.15 P49.16 U24.12 | length 13.7
  Top Layer w0.7: P49.16@129.96,71.03 P49.15@132.5,71.03 135.78,71.03 138.32,73.57 U24.12@142.63,73.57
B7: P49.17 P49.18 U24.11 | length 13.7
  Top Layer w0.7: P49.18@129.96,73.57 P49.17@132.5,73.57 135.32,73.57 137.86,76.11 U24.11@142.63,76.11
BIT0: P57.1 P57.2 R213.2 S37.2 | length 53.9
  Top Layer w0.7: S37.2@179.25,85.754 179.25,88 179.75,88.5 202.75,88.5 204,89.75 R213.2@204,97.2 198.05,97.2 196.5,98.75 P57.1@196.5,106.75 P57.2@193.96,106.75
BIT1: P57.3 P57.4 R214.2 S39.2 | length 42.1
  Top Layer w0.7: S39.2@179.25,94.504 179.25,96.25 180.25,97.25 189.75,97.25 191.25,98.75 191.25,108.25 192.29,109.29 P57.4@193.96,109.29 P57.3@196.5,109.29 197.96,109.29 200.25,107 200.25,104 201.8,102.45 R214.2@204,102.45
BIT2: P57.5 P57.6 R215.2 S41.2 | length 33.6
  Top Layer w0.7: S41.2@179.25,103.004 179.25,105 179.75,105.5 187.75,105.5 189.5,107.25 189.5,111.08 190.25,111.83 P57.6@193.96,111.83 P57.5@196.5,111.83 198.67,111.83 203.05,107.45 R215.2@204,107.45
BIT3: P57.7 P57.8 R216.2 S43.2 | length 27.5
  Top Layer w0.7: S43.2@179.25,112.004 179.25,113.75 179.75,114.25 196.38,114.25 P57.7@196.5,114.37 199.13,114.37 201.05,112.45 R216.2@204,112.45
BIT4: P57.9 P57.10 R221.2 S45.2 | length 28.1
  Top Layer w0.7: S45.2@179.25,121.004 180.5,119.754 180.5,117.25 180.84,116.91 P57.10@193.96,116.91 P57.9@196.5,116.91 203.46,116.91 R221.2@204,117.45
BIT5: P57.11 P57.12 R222.2 S46.2 | length 32.1
  Top Layer w0.7: S46.2@179.25,129.254 179.746,129.254 180.5,128.5 180.5,125 186.05,119.45 P57.12@193.96,119.45 P57.11@196.5,119.45 197.7,119.45 200.7,122.45 R222.2@204,122.45
BIT6: P57.13 P57.14 R223.2 S48.2 | length 37
  Top Layer w0.7: S48.2@179.25,138.254 180.75,136.754 180.75,134 192.76,121.99 P57.14@193.96,121.99 P57.13@196.5,121.99 197.99,121.99 198.5,122.5 198.5,125.5 200.2,127.2 R223.2@204,127.2
BIT7: P57.15 P57.16 R224.2 S50.2 | length 48.6
  Top Layer w0.7: S50.2@179.25,147.754 180.246,147.754 180.75,147.25 180.75,141.5 182,140.25 195,140.25 196.5,138.75 196.5,132.7 ; P57.16@193.96,124.53 P57.15@196.5,124.53 196.5,132.7 ; R224.2@204,132.7 196.5,132.7
D0: P4.1 P4.2 U2.5 | length 25.3
  Top Layer w0.7: P4.2@128.71,135.25 P4.1@131.25,135.25
  Bottom Layer w0.7: P4.1@131.25,135.25 135.75,135.25 138.25,132.75 149.75,132.75 150.54,133.54 U2.5@150.54,135.69
D1: P4.9 P4.10 U2.9 | length 29.1
  Top Layer w0.7: P4.10@128.71,145.41 P4.9@131.25,145.41
  Bottom Layer w0.7: P4.9@131.25,145.41 136.25,145.41 137,144.66 137,142.5 138.25,141.25 152.5,141.25 153.08,141.83 U2.9@153.08,143.31
D2: P4.17 P4.18 U3.5 | length 27.9
  Top Layer w0.7: P4.18@128.71,155.57 P4.17@131.25,155.57 ; v1(150,156.25) 150,161.9 U3.5@150.04,161.94
  Bottom Layer w0.7: P4.17@131.25,155.57 149.32,155.57 v1(150,156.25) ; U3.5@150.04,161.94 U3.5@150.5,161.48
D3: P4.25 P4.26 U3.9 | length 26.5
  Top Layer w0.7: P4.26@128.71,165.73 P4.25@131.25,165.73
  Bottom Layer w0.7: P4.25@131.25,165.73 150.48,165.73 152.58,167.83 U3.9@152.58,169.56
DCLK0: P4.3 P4.4 U2.3 | length 17.6
  Top Layer w0.7: P4.4@128.71,137.79 P4.3@131.25,137.79 143.36,137.79 U2.3@145.46,135.69
DCLK1: P4.11 P4.12 U2.11 | length 23.2
  Top Layer w0.7: P4.12@128.71,147.95 P4.11@131.25,147.95 146.8,147.95 148,146.75 U2.11@148,143.31
DCLK2: P4.19 P4.20 U3.3 | length 18.7
  Top Layer w0.7: P4.20@128.71,158.11 P4.19@131.25,158.11 132.39,159.25 143.75,159.25 144.96,160.46 U3.3@144.96,161.94
DCLK3: P4.27 P4.28 U3.11 | length 22.1
  Top Layer w0.7: P4.28@128.71,168.27 P4.27@131.25,168.27 132.02,168.27 135.5,171.75 147,171.75 147.5,171.25 U3.11@147.5,169.56
DEV-CLRN: P67.20 pad.1@271.749,86.63 U36.44 | length 86.8
  Top Layer w0.254: U36.44@271.25,90.28 271.25,89.666 271.563,89.353 271.897,89.353 272.25,89 272.25,88 271.749,87.499 pad.1@271.749,86.63
  Bottom Layer w0.254: P67.20@250.64,117.46 251.21,117.46 252,118.25 252,122.5 252.5,123 281,123 281.75,122.25 281.75,86.88 280.75,85.88 272.499,85.88 pad.1@271.749,86.63
DEV_OE: P67.19 pad.0@271.25,88.38 U36.43 | length 91.4
  Top Layer w0.254: U36.43@270.75,90.28 270.75,88.88 pad.0@271.25,88.38
  Bottom Layer w0.254: P67.19@250.64,120 250.677,120.037 250.677,123.287 251.14,123.75 281.704,123.75 282.704,122.75 282.704,85.584 281.5,84.38 271.5,84.38 270.75,85.13 270.75,87.88 pad.0@271.25,88.38
DNQ0: P5.3 P5.4 U2.2 | length 35.1
  Bottom Layer w0.7: U2.2@142.92,135.69 142.92,136.67 144,137.75 164.25,137.75 165.96,139.46 165.96,145.21 166.29,145.54 P5.4@167.46,145.54 P5.3@170,145.54
DNQ1: P5.9 P5.10 U2.12 | length 32.5
  Bottom Layer w0.7: U2.12@145.46,143.31 145.46,146.96 146.5,148 157.25,148 158,148.75 158,151.75 159.243,152.993 169.833,152.993 P5.9@170,153.16
DNQ2: P5.15 P5.16 U3.2 | length 30.2
  Bottom Layer w0.7: U3.2@142.42,161.94 142.42,160.08 143,159.5 164.75,159.5 166.03,160.78 P5.16@167.46,160.78 P5.15@170,160.78
DNQ3: P5.21 P5.22 U3.12 | length 38.6
  Bottom Layer w0.7: U3.12@144.96,169.56 144.96,173.71 146.5,175.25 169,175.25 170,174.25 P5.21@170,168.4 P5.22@167.46,168.4
DQ0: P5.1 P5.2 U2.1 | length 45.4
  Top Layer w0.7: U2.1@140.38,135.69 140.38,131.87 141.25,131 v1(146.5,131)
  Bottom Layer w0.7: v1(146.5,131) 166.75,131 167.5,131.75 167.5,142.96 P5.2@167.46,143 P5.1@170,143
DQ1: P5.7 P5.8 U2.13 | length 36.7
  Top Layer w0.7: v1(149.5,151.75) 154,151.75 156.75,149 164.5,149 166.12,150.62 P5.8@167.46,150.62 P5.7@170,150.62
  Bottom Layer w0.7: U2.13@142.92,143.31 142.92,150.67 144,151.75 v1(149.5,151.75)
DQ2: P5.13 P5.14 U3.1 | length 34.2
  Bottom Layer w0.7: U3.1@139.88,161.94 139.88,158.37 140.5,157.75 164.25,157.75 164.75,158.25 169.99,158.25 P5.13@170,158.24
DQ3: P5.19 P5.20 U3.13 | length 53.7
  Bottom Layer w0.7: U3.13@142.42,169.56 142.42,175.42 144.25,177.25 172,177.25 173.25,176 173.25,166.25 172.86,165.86 P5.19@170,165.86 P5.20@167.46,165.86
DRST0: P4.5 P4.6 R1.2 S2.3 U2.4 | length 54.6
  Top Layer w0.7: P4.6@128.71,140.33 P4.5@131.25,140.33 144.17,140.33 146.8,137.7 R1.2@148,137.7 U2.4@148,135.69 148,130.25 148.5,129.75 164.5,129.75 165.25,130.5 165.25,133.5 164.75,134 161.25,134 160.73,133.48 S2.3@160.73,132.44
DRST1: P4.13 P4.14 R3.2 S3.3 U2.10 | length 41.5
  Top Layer w0.7: P4.14@128.71,150.49 P4.13@131.25,150.49 147.76,150.49 150.54,147.71 150.54,145.51 ; R3.2@150.5,141.3 150.5,143.27 U2.10@150.54,143.31 150.54,145.51 ; S3.3@160.73,143.31 160.73,145.02 160.24,145.51 150.54,145.51
DRST2: P4.21 P4.22 R5.2 S4.3 U3.4 | length 43.7
  Top Layer w0.7: P4.22@128.71,160.65 P4.21@131.25,160.65 135.15,160.65 139.75,165.25 R5.2@146.2,165.25 146.2,164.8 147.5,163.5 U3.4@147.5,161.94 147.5,155 148.107,154.393 S4.3@160.73,154.393
DRST3: P4.29 P4.30 R7.2 S5.4 U3.10 | length 39.1
  Top Layer w0.7: P4.30@128.71,170.81 P4.29@131.25,170.81 131.25,172 132.25,173 150,173 ; R7.2@150,167.55 150,169.52 U3.10@150.04,169.56 150.04,172.96 150,173 ; S5.4@160.73,173.06 160.67,173 150,173
DSET0: R2.2 S2.4 U2.6 | length 17.5
  Top Layer w0.7: R2.2@153,137.7 153.08,137.62 U2.6@153.08,135.69 153.08,131.92 153.96,131.04 162.79,131.04 163.27,131.52 S2.4@163.27,132.44
DSET1: R4.2 S3.4 U2.8 | length 13.6
  Top Layer w0.7: R4.2@155.5,140.3 155.5,143.19 U2.8@155.62,143.31
  Bottom Layer w0.7: U2.8@155.62,143.31 155.62,144.62 156,145 162.75,145 163.27,144.48 S3.4@163.27,143.31
DSET2: R6.2 S4.4 U3.6 | length 19.8
  Top Layer w0.7: R6.2@152.5,164.45 152.5,162.02 U3.6@152.58,161.94 ; U3.6@152.607,161.94 U3.6@152.58,161.94 ; S4.4@163.27,154.393 163.27,156.23 162.5,157 153.5,157 152.58,157.92 U3.6@152.58,161.94
DSET3: R8.2 S5.3 U3.8 | length 13.5
  Top Layer w0.7: R8.2@155,167.3 155,169.44 U3.8@155.12,169.56 162.56,169.56 163.27,170.27 S5.3@163.27,173.06
ECHO: P55.5 P55.6 U29.2 | length 9.5
  Top Layer w0.7: U29.2@199.79,51.75 199.79,54.46 201.58,56.25 P55.5@201.58,58 P55.6@201.58,60.54
F1: P33.1 R25.2 U16.29 | length 43.1
  Top Layer w0.254: U16.29@301.616,252.75 320.5,252.75 321.75,251.5 P33.1@321.75,233.75
  Top Layer w0.7: P33.1@321.75,233.75 323.25,232.25 323.66,232.25 R25.2@325.16,230.75
F2: P33.2 R24.2 U16.30 | length 45.8
  Top Layer w0.254: U16.30@301.616,253.25 322.75,253.25 324.29,251.71 P33.2@324.29,233.75
  Top Layer w0.7: P33.2@324.29,233.75 324.5,233.75 327.5,230.75 R24.2@327.57,230.75
F3: P33.3 R23.2 U16.31 | length 49
  Top Layer w0.254: U16.31@301.616,253.75 325,253.75 326.75,252 326.75,233.83 P33.3@326.83,233.75 P33.3@327.25,233.75
  Top Layer w0.7: P33.3@326.83,233.75 329.83,230.75 R23.2@329.98,230.75
F4: P33.4 R22.2 U16.32 | length 51.8
  Top Layer w0.254: U16.32@301.616,254.25 327.5,254.25 329.37,252.38 P33.4@329.37,233.75
  Top Layer w0.7: P33.4@329.37,233.75 332.37,230.75 R22.2@332.724,230.75
F5: P33.5 R21.2 U16.33 | length 54.7
  Top Layer w0.254: U16.33@301.616,254.75 330.25,254.75 331.91,253.09 P33.5@331.91,233.75
  Top Layer w0.7: P33.5@331.91,233.75 331.91,233.59 334.75,230.75 R21.2@334.964,230.75
GCLK0: P67.15 pad.10@258.25,99.13 U36.12 | length 25.1
  Top Layer w0.254: pad.10@258.25,99.13 259,98.38 U36.12@260.65,98.38
  Bottom Layer w0.254: P67.15@255.72,120 256.5,120 257,119.5 257,100.38 pad.10@258.25,99.13
GCLK1: P67.16 U36.14 Y2.3 | length 55.8
  Top Layer w0.254: v1(255.75,98.63) 257,97.38 U36.14@260.65,97.38
  Bottom Layer w0.254: Y2.3@235.672,85.452 239.452,85.452 241,87 241,97 241.63,97.63 254.75,97.63 ; 254.62,97.5 254.75,97.63 ; P67.16@255.72,117.46 255.75,117.43 v1(255.75,98.63) 254.75,97.63
GCLK2: P67.17 pad.4@278.5,97.63 U36.62 | length 56.8
  Top Layer w0.254: U36.62@275.85,97.38 278.25,97.38 pad.4@278.5,97.63
  Bottom Layer w0.254: P67.17@253.18,120 253.18,121.75 253.68,122.25 279.25,122.25 280,121.5 280,98.38 279.25,97.63 pad.4@278.5,97.63
GCLK3: P67.18 pad.2@277.5,98.38 U36.64 | length 52.8
  Top Layer w0.254: U36.64@275.85,98.38 pad.2@277.5,98.38
  Bottom Layer w0.254: P67.18@253.18,117.46 253.71,117.46 254.5,118.25 254.5,121.25 254.75,121.5 277.25,121.5 278,120.75 278,98.88 pad.2@277.5,98.38